# KiCad board Diom-35SP_PCB-rounded.kicad_pcb

Outline 139.93 x 113.12 mm; copper layers: Top, Bottom. Coordinates in mm from the lower left corner of the outline.
Outline path: 0,83.48 arc(0.56,85.11) 2.1,85.88 21.07,87.72 arc(22.62,88.55) 23.45,90.1 23.45,101.22 arc(24.15,102.9) 25.83,103.6 40.12,103.6 arc(41.8,104.3) 42.5,105.98 42.5,110.74 arc(43.2,112.43) 44.88,113.12 60.63,113.12 arc(62.31,112.43) 63.01,110.74 63.01,109.95 arc(63.72,108.26) 65.41,107.57 79.8,107.57 arc(81.37,106.99) 82.19,105.53 arc(83.03,104.14) 84.57,103.6 98.85,103.6 arc(100.42,103.02) 101.24,101.57 arc(102.08,100.17) 103.62,99.63 126.29,99.63 arc(127.97,98.93) 128.67,97.25 128.67,64.42 arc(127.97,62.73) 126.29,62.04 117.83,62.04 arc(116.13,61.33) 115.45,59.62 115.42,47.08 arc(115.89,45.6) 117.2,44.78 119.5,44.18 arc(120.63,43.3) 120.8,41.88 119.81,38.5 arc(119.87,36.86) 121,35.68 138.21,27.34 arc(139.72,25.8) 139.71,23.64 129.8,2.18 arc(128.14,0.27) 125.61,0.27 110.92,7.3 arc(110.36,8.31) 110.54,9.46 112.3,13.18 arc(112.4,14.71) 111.23,15.7 95,20.08 arc(94.11,20.57) 93.5,21.38 arc(92.74,22.29) 91.6,22.64 75.04,22.64 arc(73.48,23.21) 72.66,24.67 72.66,46.8 arc(71.84,48.25) 70.28,48.83 63.93,48.83 arc(62.25,49.53) 61.55,51.21 61.55,52 arc(60.85,53.69) 59.17,54.39 46.4,54.38 arc(44.72,53.68) 44.02,52 44,47.24 arc(43.31,45.56) 41.62,44.86 26.62,44.86 arc(24.94,44.16) 24.24,42.48 25.04,31.37 arc(24.34,29.68) 22.65,28.99 6.9,27.68 arc(5.22,28.38) 4.52,30.06 0,83.48
Stack: Top 0.035mm / dielectric 1.51mm FR4 er 4.5 / Bottom 0.035mm

## Placement (name value [footprint] x y rotation side)
H1  MountingHole  [MountingHole_2.2mm_M2_DIN965]  2.9 83.28 0 top
H2  MountingHole  [MountingHole_2.2mm_M2_DIN965]  7.3 30.68 0 top
H3  MountingHole  [MountingHole_2.2mm_M2_DIN965]  136.6 24.88 0 top
H4  MountingHole  [MountingHole_2.2mm_M2_DIN965]  126.5 3.18 0 top
H5  MountingHole  [MountingHole_2.2mm_M2_DIN965]  60 109.98 0 top
H6  MountingHole  [MountingHole_2.2mm_M2_DIN965]  41.1 47.88 0 top
H7  MountingHole  [MountingHole_2.2mm_M2_DIN965]  103.04 97.22 0 top
H8  MountingHole  [MountingHole_2.2mm_M2_DIN965]  103.04 64.45 0 top
H9  MountingHole  [MountingHole_2.2mm_M2_DIN965]  126.29 97.22 0 top
H10  MountingHole  [MountingHole_2.2mm_M2_DIN965]  126.29 64.45 0 top
H11  MountingHole  [MountingHole_2.2mm_M2_DIN965]  113.14 47.24 0 top
H12  MountingHole  [MountingHole_2.2mm_M2_DIN965]  104.31 20.76 0 top
H13  MountingHole  [MountingHole_2.2mm_M2_DIN965]  62.34 80.58 0 top
H14  MountingHole  [MountingHole_2.2mm_M2_DIN965]  75.99 25.84 0 top
H15  MountingHole  [MountingHole_2.2mm_M2_DIN965]  45.64 109.92 0 top
H17  MountingHole  [MountingHole_2.2mm_M2_DIN965]  26.46 100.52 0 top
H18  MountingHole  [MountingHole_2.2mm_M2_DIN965]  21.89 32.06 0 top
J1  Conn_01x02_Male  [JST_EH_S2B-EH_1x02_P2.50mm_Horizontal]  105.22 53.03 0 top
MX1  MX-NoLED  [Kailh-V1V2-1U-doubleSided-noSilk]  10.75 76.61 5 top
MX2  MX-NoLED  [Kailh-V1V2-1U-doubleSided-noSilk]  33.77 93.28 0 top
MX3  MX-NoLED  [Kailh-V1V2-1U-doubleSided-noSilk]  52.82 102.8 0 top
MX4  MX-NoLED  [Kailh-V1V2-1U-doubleSided-noSilk]  71.87 97.25 0 top
MX5  MX-NoLED  [Kailh-V1V2-1U-doubleSided-noSilk]  90.92 93.28 0 top
MX6  MX-NoLED  [Kailh-V1V2-1U-doubleSided-noSilk]  12.34 57.56 5 top
MX7  MX-NoLED  [Kailh-V1V2-1U-doubleSided-noSilk]  33.77 74.23 0 top
MX8  MX-NoLED  [Kailh-V1V2-1U-doubleSided-noSilk]  52.82 83.75 0 top
MX9  MX-NoLED  [Kailh-V1V2-1U-doubleSided-noSilk]  71.87 78.2 0 top
MX10  MX-NoLED  [Kailh-V1V2-1U-doubleSided-noSilk]  90.92 74.23 0 top
MX11  MX-NoLED  [Kailh-V1V2-1U-doubleSided-noSilk]  13.92 38.51 5 top
MX12  MX-NoLED  [Kailh-V1V2-1U-doubleSided-noSilk]  33.77 55.18 0 top
MX13  MX-NoLED  [Kailh-V1V2-1U-doubleSided-noSilk]  52.82 64.7 0 top
MX14  MX-NoLED  [Kailh-V1V2-1U-doubleSided-noSilk]  71.87 59.15 0 top
MX15  MX-NoLED  [Kailh-V1V2-1U-doubleSided-noSilk]  90.92 55.18 0 top
MX16  MX-NoLED  [Kailh-V1V2-1U-doubleSided-noSilk]  83.14 32.95 0 top
MX17  MX-NoLED  [Kailh-V1V2-1.5U-doubleSided-noSilk]  107.59 32.16 75 top
MX18  MX-NoLED  [Kailh-V1V2-1.5U-doubleSided-noSilk]  125.05 17.08 65 top
SW1  SHOU_HAN_MSK12C02-HB  [SHOU HAN MSK12C02-HB]  113.84 55.18 270 bottom
U1  -  [nice_nano]  114.65 80.97 270 top

## Footprints (pads in the part's own frame, mm; a bottom-side part is the same pattern mirrored in y, then rotated)
JST_EH_S2B-EH_1x02_P2.50mm_Horizontal
  rrect 1.7x2 hole 1: 1(0,0)
  oval 1.7x2 hole 1: 2(2.5,0)
Kailh-V1V2-1.5U-doubleSided-noSilk
  round 1.9 hole 1.9 unplated: (-5.5,0) (5.5,0)
  round 2.6 hole 1.6: (-5,-5.15) (5,-5.15)
  round 5.05 hole 5.05 unplated: (0,0)
  round 2.2 hole 1.2: 1(0,5.9) 1(0,5.9) 2(-5,3.8) 2(5,3.8)
Kailh-V1V2-1U-doubleSided-noSilk
  round 1.9 hole 1.9 unplated: (-5.5,0) (5.5,0)
  round 2.6 hole 1.6: (-5,-5.15) (5,-5.15)
  round 5.05 hole 5.05 unplated: (0,0)
  round 2.2 hole 1.2: 1(0,5.9) 1(0,5.9) 2(-5,3.8) 2(5,3.8)
MountingHole_2.2mm_M2_DIN965
  round 2.2 hole 2.2 unplated: (0,0)
nice_nano
  round 1.753 hole 1.092: 1(-13.97,-7.62) 2(-11.43,-7.62) 3(-8.89,-7.62) 4(-6.35,-7.62) 5(-3.81,-7.62) 6(-1.27,-7.62) 7(1.27,-7.62) 8(3.81,-7.62) 9(6.35,-7.62) 10(8.89,-7.62) 11(11.43,-7.62) 12(13.97,-7.62) 13(13.97,7.62) 14(11.43,7.62) 15(8.89,7.62) 16(6.35,7.62) 17(3.81,7.62) 18(1.27,7.62) 19(-1.27,7.62) 20(-3.81,7.62) 21(-6.35,7.62) 22(-8.89,7.62) 23(-11.43,7.62) 24(-13.97,7.62) 30(-16.51,-7.62) 31(8.89,-5.08) 32(8.89,-2.54) 33(8.89,0) 34(-16.51,7.62)
SHOU HAN MSK12C02-HB
  round 0.85 hole 0.85 unplated: (-1.5,0) (1.5,0)
  rrect 1x1.5 smd: 1(-2.3,2.1) 2(1,2.1) 3(2.45,2.1)
  rrect 1.7x1 smd: 4(-4,-1) 4(-4,1) 4(3.9,-1) 4(3.9,1)

## Nets
GND: MX1.2 MX2.2 MX3.2 MX4.2 MX5.2 MX6.2 MX7.2 MX8.2 MX9.2 MX10.2 MX11.2 MX12.2 MX13.2 MX14.2 MX15.2 MX16.2 MX17.2 MX18.2 SW1.4 U1.3 U1.4 U1.23
VCC: U1.21
B+: SW1.2 U1.34
B-: J1.1 U1.30
MX1: MX1.1 U1.18
MX2: MX2.1 U1.6
MX3: MX3.1 U1.1
MX4: MX4.1 U1.2
MX5: MX5.1 U1.5
MX6: MX6.1 U1.17
MX7: MX7.1 U1.10
MX8: MX8.1 U1.7
MX9: MX9.1 U1.8
MX10: MX10.1 U1.9
MX11: MX11.1 U1.15
MX12: MX12.1 U1.16
MX13: MX13.1 U1.11
MX14: MX14.1 U1.12
MX15: MX15.1 U1.19
MX16: MX16.1 U1.14
MX17: MX17.1 U1.13
MX18: MX18.1 U1.20
Net-(J1-Pad2): J1.2 SW1.3

Pads without a net: SW1 1; U1 22 24 31 32 33

## Via types
v1: diameter 0.8, hole 0.4, Top to Bottom, 2 vias

## Routing (per net, layer and track width the routed paths; a pad name or vN(x,y) marks a point on that pad's centre or on a via; arc(x,y) is an arc through that point)
B+: length 49.1
  Top w0.508: U1.34 119.43,94.64 v1(119.43,80.71)
  Bottom w0.508: v1(119.43,80.71) 119.41,80.69 119.41,70.42 109.97,60.97 109.97,55.95 SW1.2
B-: length 57.8
  Top w0.508: U1.30 114.21,97.48 117.14,94.55 v1(117.14,80.71)
  Bottom w0.508: v1(117.14,80.71) 117.13,80.69 117.13,70.67 105.22,58.77 J1.1
MX1: length 145.5
  Top w0.381: U1.18 120.51,77.95 arc(119.33,76.18) 118.92,74.1 118.92,74 arc(118.51,71.92) 117.33,70.15 102.3,55.13 arc(101.35,53.7) 101.01,52.01 101.01,51.87 arc(100.7,50.32) 99.82,49 arc(98.51,48.12) 96.95,47.81 78.38,47.81 arc(76.3,48.23) 74.54,49.41 73.91,50.03 arc(72.15,51.21) 70.07,51.62 68.61,51.62 arc(66.52,52.04) 64.76,53.22 62.1,55.87 arc(60.34,57.05) 58.26,57.46 46.84,57.46 arc(44.76,57.88) 43,59.06 38.15,63.9 arc(36.38,65.08) 34.3,65.5 29.67,65.5 arc(27.59,65.91) 25.82,67.09 21.07,71.84 arc(19.89,73.61) 19.48,75.69 19.48,79.23 arc(19.23,80.48) 18.52,81.53 arc(17.47,82.24) 16.22,82.49 MX1.1
MX2: length 78.9
  Top w0.381: MX2.1 38.31,99.18 arc(40.39,98.76) 42.16,97.59 44.87,94.87 arc(46.64,93.69) 48.72,93.28 50,93.28 arc(51.87,92.91) 53.45,91.85 arc(55.04,90.79) 56.91,90.42 67.53,90.42 arc(67.56,90.42) 67.58,90.44 arc(67.6,90.44) 67.62,90.44 70.02,88.04 arc(71.78,86.86) 73.86,86.45 100.57,86.45 arc(102.66,86.03) 104.42,84.85 U1.6
MX3: length 60
  Top w0.381: U1.1 106.39,94.3 arc(105.68,93.83) 104.84,93.66 104.27,93.66 arc(102.9,93.93) 101.75,94.71 95.62,100.83 arc(93.86,102.01) 91.77,102.42 85.27,102.42 arc(83.51,102.77) 82.01,103.77 arc(80.51,104.77) 78.75,105.12 57.54,105.12 arc(56.48,105.33) 55.59,105.93 MX3.1
MX4: length 39
  Top w0.381: U1.2 104.84,92.4 arc(102.82,92.81) 101.1,93.95 97.41,97.64 arc(97.4,97.66) 97.4,97.67 arc(97.39,97.69) 97.38,97.7 95.02,100.07 arc(93.26,101.25) 91.17,101.66 84.37,101.66 arc(83.39,101.85) 82.57,102.4 arc(81.75,102.95) 80.78,103.15 MX4.1
MX5: length 21.9
  Top w0.381: MX5.1 94.62,95.47 arc(95.29,95.02) 96.09,94.87 arc(96.88,94.71) 97.56,94.26 U1.5
MX6: length 131.2
  Top w0.381: MX6.1 35.55,63.44 arc(37.64,63.02) 39.4,61.84 42.82,58.42 arc(44.59,57.24) 46.67,56.83 58.08,56.83 arc(60.17,56.42) 61.93,55.24 64.52,52.65 arc(66.29,51.47) 68.37,51.05 69.83,51.05 arc(71.91,50.64) 73.68,49.46 74.43,48.71 arc(76.19,47.53) 78.28,47.11 96.74,47.11 arc(98.59,47.48) 100.16,48.53 100.3,48.66 arc(101.25,50.09) 101.58,51.78 arc(101.92,53.46) 102.87,54.89 118.49,70.51 arc(119.25,71.64) 119.51,72.96 arc(119.77,74.29) 120.53,75.42 U1.17
MX7: length 76.3
  Top w0.381: U1.10 106.62,71.67 arc(106.17,71.37) 105.63,71.26 58.04,71.26 arc(55.95,71.68) 54.19,72.86 53.62,73.43 arc(51.85,74.61) 49.77,75.02 48.72,75.02 arc(46.64,75.44) 44.87,76.62 42.95,78.54 arc(41.19,79.71) 39.11,80.13 MX7.1
MX8: length 57.6
  Top w0.381: 52.82,89.65 65.11,89.65 arc(67.19,89.24) 68.96,88.06 69.85,87.17 arc(71.61,85.99) 73.7,85.58 98.9,85.58 arc(100.99,85.16) 102.75,83.98 U1.7
MX9: length 37.6
  Top w0.381: MX9.1 93.08,84.1 arc(95.16,83.68) 96.93,82.5 100.68,78.76 arc(102.44,77.58) 104.52,77.16 U1.8
MX10: length 17.9
  Top w0.381: U1.9 104.48,74.62 arc(102.4,75.04) 100.63,76.22 98.31,78.54 arc(96.55,79.71) 94.46,80.13 MX10.1
MX11: length 128.5
  Top w0.381: MX11.1 14.49,45.47 arc(15.68,46.26) 17.09,46.54 30.34,46.54 arc(32.42,46.96) 34.19,48.14 40.02,53.97 arc(41.78,55.15) 43.87,55.56 57.74,55.56 arc(59.82,55.15) 61.59,53.97 64.05,51.5 arc(65.81,50.32) 67.9,49.91 69.36,49.91 arc(71.44,49.5) 73.2,48.32 74.15,47.37 arc(75.91,46.2) 77.99,45.78 96.77,45.78 arc(98.85,46.2) 100.62,47.37 101.44,48.19 arc(102.39,49.62) 102.73,51.3 arc(103.06,52.99) 104.02,54.42 120.53,70.93 arc(120.62,71.07) 120.65,71.23 arc(120.68,71.4) 120.78,71.54 120.99,71.75 arc(121.36,72) 121.8,72.08 U1.15
MX12: length 106.9
  Top w0.381: MX12.1 37.11,61.08 arc(39.19,60.66) 40.95,59.49 42.65,57.79 arc(44.42,56.61) 46.5,56.19 57.91,56.19 arc(59.99,55.78) 61.76,54.6 64.28,52.07 arc(66.05,50.9) 68.13,50.48 69.59,50.48 arc(71.68,50.07) 73.44,48.89 74.32,48.01 arc(76.08,46.83) 78.17,46.42 96.6,46.42 arc(98.68,46.83) 100.45,48.01 100.87,48.43 arc(101.82,49.86) 102.16,51.54 arc(102.49,53.23) 103.45,54.65 119.68,70.89 arc(119.98,71.33) 120.08,71.86 arc(120.19,72.39) 120.48,72.84 122.27,74.62 arc(122.27,74.62) 122.26,74.62 122.26,74.62
MX13: length 55.9
  Top w0.381: MX13.1 56.57,70.6 arc(58.65,70.19) 60.42,69.01 60.75,68.68 arc(62.51,67.5) 64.6,67.09 96.32,67.09 arc(97.93,67.4) 99.29,68.31 arc(100.65,69.22) 102.26,69.54 U1.11
MX14: length 35.7
  Top w0.381: U1.12 101.91,67 arc(100.63,66.75) 99.55,66.03 arc(98.46,65.3) 97.18,65.05 MX14.1
MX15: length 43.1
  Top w0.381: MX15.1 105.17,61.08 arc(107.25,61.49) 109.01,62.67 116.76,70.41 arc(117.93,72.18) 118.35,74.26 118.35,76.07 arc(118.76,78.15) 119.94,79.91 U1.19
MX16: length 55.3
  Top w0.381: MX16.1 94.24,38.85 arc(96.33,39.27) 98.09,40.45 107.6,49.96 arc(108.78,51.72) 109.19,53.8 109.19,56.53 arc(109.61,58.62) 110.79,60.38 119.13,68.72 arc(120.04,69.33) 121.11,69.54 U1.14
MX17: length 43.2
  Top w0.381: U1.13 120.24,67 arc(118.37,66.63) 116.78,65.57 111.36,60.15 arc(110.18,58.38) 109.77,56.3 109.77,53.57 arc(109.35,51.48) 108.17,49.72 103.48,45.03 arc(102.3,43.26) 101.89,41.18 MX17.1
MX18: length 77.6
  Top w0.381: U1.20 123.14,83.92 arc(123.78,82.96) 124,81.83 124,67.2 arc(123.83,66.35) 123.35,65.63 arc(122.63,65.15) 121.78,64.98 119.25,64.98 arc(117.17,64.56) 115.41,63.39 111.93,59.91 arc(110.75,58.14) 110.34,56.06 110.34,43.9 arc(110.75,41.82) 111.93,40.05 118.11,33.88 arc(119.29,32.11) 119.7,30.03 MX18.1
Net-(J1-Pad2): length 4.1
  Bottom w0.508: J1.2 107.87,52.88 arc(108.04,52.77) 108.23,52.73 SW1.3

## Copper pours and planes (outline as drawn; the poured copper is in the pictures)
GND on Top, Bottom: 149.65,-6.73 -9.1,-6.73 -9.1,120.27 149.65,120.27
B+ on Top: 121.22,96.07 121.36,96.21 121.5,96.31 121.62,96.39 121.74,96.44 121.86,96.48 121.98,96.51 122.24,96.56 122.39,96.6 122.56,96.66 122.58,97.79 121.44,97.77 121.39,97.6 121.35,97.45 121.3,97.19 121.27,97.07 121.23,96.95 121.17,96.83 121.1,96.71 120.99,96.58 120.86,96.43
B+ on Bottom: 110.86,54.7 110.94,54.62 111,54.55 111.05,54.48 111.1,54.42 111.13,54.36 111.16,54.3 111.19,54.24 111.21,54.17 111.27,54.01 111.92,54 111.9,54.65 111.74,54.71 111.68,54.73 111.61,54.76 111.55,54.79 111.5,54.82 111.43,54.87 111.37,54.92 111.3,54.98 111.22,55.06
B- on Top: 108.78,97.74 108.58,97.74 108.41,97.77 108.27,97.8 108.14,97.85 108.03,97.9 107.93,97.97 107.7,98.11 107.57,98.19 107.41,98.27 106.59,97.48 107.41,96.69 107.57,96.78 107.7,96.86 107.93,97 108.03,97.06 108.14,97.12 108.27,97.17 108.41,97.2 108.58,97.22 108.78,97.23
B- on Bottom: 104.97,54.72 104.96,54.52 104.94,54.36 104.91,54.22 104.87,54.1 104.81,54 104.75,53.89 104.61,53.68 104.54,53.55 104.46,53.4 105.22,52.6 105.99,53.4 105.91,53.55 105.83,53.68 105.69,53.89 105.63,54 105.58,54.1 105.54,54.22 105.51,54.36 105.49,54.52 105.48,54.72
MX1 on Top: 12.42,82.68 12.17,82.69 11.95,82.73 11.78,82.78 11.63,82.86 11.49,82.94 11.37,83.04 11.23,83.15 11.09,83.26 10.92,83.37 10.71,83.48 9.68,82.49 10.71,81.5 10.92,81.61 11.09,81.72 11.23,81.83 11.37,81.94 11.49,82.03 11.63,82.12 11.78,82.19 11.95,82.25 12.17,82.28 12.42,82.3
MX1 on Top: 121.17,78.33 121.32,78.47 121.46,78.57 121.59,78.64 121.71,78.69 121.83,78.72 121.96,78.74 122.09,78.76 122.23,78.79 122.39,78.82 122.56,78.88 122.58,80.01 121.44,79.99 121.39,79.82 121.36,79.66 121.33,79.52 121.31,79.39 121.29,79.26 121.26,79.14 121.21,79.02 121.14,78.89 121.04,78.75 120.9,78.6
MX1 on Top: 12.42,82.68 12.17,82.69 11.95,82.73 11.78,82.78 11.63,82.86 11.49,82.94 11.37,83.04 11.23,83.15 11.09,83.26 10.92,83.37 10.71,83.48 9.68,82.49 10.71,81.5 10.92,81.61 11.09,81.72 11.23,81.83 11.37,81.94 11.49,82.03 11.63,82.12 11.78,82.19 11.95,82.25 12.17,82.28 12.42,82.3
MX2 on Top: 35.96,99.37 35.7,99.38 35.49,99.42 35.31,99.47 35.16,99.55 35.03,99.63 34.9,99.73 34.77,99.84 34.62,99.95 34.45,100.06 34.25,100.17 33.22,99.18 34.25,98.19 34.45,98.3 34.62,98.41 34.77,98.52 34.9,98.63 35.03,98.72 35.16,98.81 35.31,98.88 35.49,98.94 35.7,98.98 35.96,98.99
MX2 on Top: 35.96,99.37 35.7,99.38 35.49,99.42 35.31,99.47 35.16,99.55 35.03,99.63 34.9,99.73 34.77,99.84 34.62,99.95 34.45,100.06 34.25,100.17 33.22,99.18 34.25,98.19 34.45,98.3 34.62,98.41 34.77,98.52 34.9,98.63 35.03,98.72 35.16,98.81 35.31,98.88 35.49,98.94 35.7,98.98 35.96,98.99
MX2 on Top: 105.66,83.34 105.8,83.19 105.9,83.06 105.97,82.93 106.02,82.8 106.05,82.68 106.07,82.56 106.09,82.43 106.12,82.29 106.15,82.13 106.2,81.96 107.34,81.93 107.32,83.07 107.15,83.12 106.99,83.16 106.85,83.18 106.72,83.2 106.59,83.22 106.47,83.26 106.35,83.3 106.22,83.37 106.08,83.48 105.93,83.61
MX3 on Top: 54.5,107.29 54.33,107.48 54.2,107.66 54.12,107.82 54.06,107.98 54.03,108.13 54.01,108.29 53.99,108.46 53.96,108.64 53.92,108.84 53.86,109.06 52.43,109.09 52.46,107.66 52.68,107.6 52.88,107.56 53.06,107.53 53.23,107.51 53.39,107.49 53.54,107.46 53.7,107.4 53.86,107.32 54.04,107.19 54.23,107.02
MX3 on Top: 54.5,107.29 54.33,107.48 54.2,107.66 54.12,107.82 54.06,107.98 54.03,108.13 54.01,108.29 53.99,108.46 53.96,108.64 53.92,108.84 53.86,109.06 52.43,109.09 52.46,107.66 52.68,107.6 52.88,107.56 53.06,107.53 53.23,107.51 53.39,107.49 53.54,107.46 53.7,107.4 53.86,107.32 54.04,107.19 54.23,107.02
MX3 on Top: 105.74,93.64 105.95,93.73 106.13,93.79 106.29,93.84 106.43,93.88 106.56,93.91 106.69,93.94 106.82,93.97 106.97,94.01 107.13,94.05 107.32,94.12 107.34,95.25 106.2,95.23 106.16,95.07 106.13,94.91 106.11,94.76 106.09,94.63 106.06,94.5 106.03,94.38 105.97,94.27 105.88,94.17 105.76,94.08 105.59,94
MX4 on Top: 105.29,92.21 105.49,92.2 105.66,92.18 105.8,92.14 105.92,92.08 106.03,92.02 106.13,91.95 106.24,91.87 106.35,91.79 106.49,91.7 106.65,91.61 107.47,92.4 106.65,93.19 106.49,93.11 106.35,93.02 106.24,92.94 106.13,92.86 106.03,92.79 105.92,92.72 105.8,92.67 105.66,92.63 105.49,92.6 105.29,92.59
MX4 on Top: 74.06,103.34 73.8,103.35 73.59,103.39 73.41,103.44 73.26,103.52 73.13,103.6 73,103.7 72.87,103.81 72.72,103.92 72.55,104.03 72.35,104.14 71.32,103.15 72.35,102.16 72.55,102.27 72.72,102.38 72.87,102.49 73,102.6 73.13,102.69 73.26,102.78 73.41,102.85 73.59,102.91 73.8,102.94 74.06,102.96
MX4 on Top: 74.06,103.34 73.8,103.35 73.59,103.39 73.41,103.44 73.26,103.52 73.13,103.6 73,103.7 72.87,103.81 72.72,103.92 72.55,104.03 72.35,104.14 71.32,103.15 72.35,102.16 72.55,102.27 72.72,102.38 72.87,102.49 73,102.6 73.13,102.69 73.26,102.78 73.41,102.85 73.59,102.91 73.8,102.94 74.06,102.96
MX5 on Top: 92.6,97.76 92.43,97.96 92.3,98.13 92.22,98.29 92.16,98.45 92.13,98.61 92.11,98.77 92.09,98.94 92.06,99.12 92.02,99.32 91.96,99.54 90.53,99.57 90.56,98.14 90.78,98.07 90.98,98.03 91.16,98.01 91.33,97.99 91.49,97.97 91.64,97.93 91.8,97.88 91.96,97.79 92.14,97.67 92.33,97.5
MX5 on Top: 92.6,97.76 92.43,97.96 92.3,98.13 92.22,98.29 92.16,98.45 92.13,98.61 92.11,98.77 92.09,98.94 92.06,99.12 92.02,99.32 91.96,99.54 90.53,99.57 90.56,98.14 90.78,98.07 90.98,98.03 91.16,98.01 91.33,97.99 91.49,97.97 91.64,97.93 91.8,97.88 91.96,97.79 92.14,97.67 92.33,97.5
MX5 on Top: 105.66,85.88 105.8,85.73 105.9,85.6 105.97,85.47 106.02,85.34 106.05,85.22 106.07,85.1 106.09,84.97 106.12,84.83 106.15,84.67 106.2,84.5 107.34,84.47 107.32,85.61 107.15,85.66 106.99,85.7 106.85,85.72 106.72,85.74 106.59,85.76 106.47,85.8 106.35,85.84 106.22,85.91 106.08,86.02 105.93,86.15
MX6 on Top: 121.17,75.79 121.32,75.93 121.46,76.03 121.59,76.1 121.71,76.15 121.83,76.18 121.96,76.2 122.09,76.22 122.23,76.25 122.39,76.28 122.56,76.34 122.58,77.47 121.44,77.45 121.39,77.28 121.36,77.12 121.33,76.98 121.31,76.85 121.29,76.72 121.26,76.6 121.21,76.48 121.14,76.35 121.04,76.21 120.9,76.06
MX6 on Top: 14.01,63.63 13.75,63.64 13.54,63.68 13.37,63.73 13.22,63.81 13.08,63.89 12.95,63.99 12.82,64.1 12.67,64.21 12.5,64.32 12.3,64.43 11.27,63.44 12.3,62.45 12.5,62.56 12.67,62.67 12.82,62.78 12.95,62.89 13.08,62.98 13.22,63.07 13.37,63.14 13.54,63.2 13.75,63.23 14.01,63.25
MX6 on Top: 14.01,63.63 13.75,63.64 13.54,63.68 13.37,63.73 13.22,63.81 13.08,63.89 12.95,63.99 12.82,64.1 12.67,64.21 12.5,64.32 12.3,64.43 11.27,63.44 12.3,62.45 12.5,62.56 12.67,62.67 12.82,62.78 12.95,62.89 13.08,62.98 13.22,63.07 13.37,63.14 13.54,63.2 13.75,63.23 14.01,63.25
MX7 on Top: 105.55,71.07 105.75,71.08 105.92,71.09 106.07,71.1 106.2,71.12 106.44,71.16 106.56,71.18 106.7,71.19 106.85,71.2 107.03,71.21 107.37,72.36 106.24,72.46 106.18,72.31 106.14,72.17 106.07,71.9 106.04,71.78 105.99,71.67 105.92,71.58 105.83,71.51 105.71,71.47 105.55,71.45
MX7 on Top: 35.96,80.32 35.7,80.33 35.49,80.37 35.31,80.42 35.16,80.5 35.03,80.58 34.9,80.68 34.77,80.79 34.62,80.9 34.45,81.01 34.25,81.12 33.22,80.13 34.25,79.14 34.45,79.25 34.62,79.36 34.77,79.47 34.9,79.58 35.03,79.67 35.16,79.76 35.31,79.83 35.49,79.89 35.7,79.93 35.96,79.94
MX7 on Top: 35.96,80.32 35.7,80.33 35.49,80.37 35.31,80.42 35.16,80.5 35.03,80.58 34.9,80.68 34.77,80.79 34.62,80.9 34.45,81.01 34.25,81.12 33.22,80.13 34.25,79.14 34.45,79.25 34.62,79.36 34.77,79.47 34.9,79.58 35.03,79.67 35.16,79.76 35.31,79.83 35.49,79.89 35.7,79.93 35.96,79.94
MX8 on Top: 105.66,80.8 105.8,80.65 105.9,80.52 105.97,80.39 106.02,80.26 106.05,80.14 106.07,80.02 106.09,79.89 106.12,79.75 106.15,79.59 106.2,79.42 107.34,79.39 107.32,80.53 107.15,80.58 106.99,80.62 106.85,80.64 106.72,80.66 106.59,80.68 106.47,80.72 106.35,80.76 106.22,80.83 106.08,80.94 105.93,81.07
MX8 on Top: 55.01,89.84 54.75,89.86 54.54,89.89 54.36,89.95 54.21,90.02 54.08,90.11 53.95,90.21 53.82,90.31 53.67,90.42 53.5,90.53 53.3,90.64 52.27,89.65 53.3,88.66 53.5,88.77 53.67,88.89 53.82,89 53.95,89.1 54.08,89.2 54.21,89.29 54.36,89.36 54.54,89.41 54.75,89.45 55.01,89.46
MX8 on Top: 55.01,89.84 54.75,89.86 54.54,89.89 54.36,89.95 54.21,90.02 54.08,90.11 53.95,90.21 53.82,90.31 53.67,90.42 53.5,90.53 53.3,90.64 52.27,89.65 53.3,88.66 53.5,88.77 53.67,88.89 53.82,89 53.95,89.1 54.08,89.2 54.21,89.29 54.36,89.36 54.54,89.41 54.75,89.45 55.01,89.46
MX9 on Top: 105.29,76.97 105.49,76.96 105.66,76.94 105.8,76.9 105.92,76.84 106.03,76.78 106.13,76.71 106.24,76.63 106.35,76.55 106.49,76.46 106.65,76.37 107.47,77.16 106.65,77.95 106.49,77.87 106.35,77.78 106.24,77.7 106.13,77.62 106.03,77.55 105.92,77.48 105.8,77.43 105.66,77.39 105.49,77.36 105.29,77.35
MX9 on Top: 74.06,84.29 73.8,84.3 73.59,84.34 73.41,84.39 73.26,84.47 73.13,84.55 73,84.65 72.87,84.76 72.72,84.87 72.55,84.98 72.35,85.09 71.32,84.1 72.35,83.11 72.55,83.22 72.72,83.33 72.87,83.44 73,83.55 73.13,83.64 73.26,83.73 73.41,83.8 73.59,83.86 73.8,83.89 74.06,83.91
MX9 on Top: 74.06,84.29 73.8,84.3 73.59,84.34 73.41,84.39 73.26,84.47 73.13,84.55 73,84.65 72.87,84.76 72.72,84.87 72.55,84.98 72.35,85.09 71.32,84.1 72.35,83.11 72.55,83.22 72.72,83.33 72.87,83.44 73,83.55 73.13,83.64 73.26,83.73 73.41,83.8 73.59,83.86 73.8,83.89 74.06,83.91
MX10 on Top: 93.11,80.32 92.85,80.33 92.64,80.37 92.46,80.42 92.31,80.5 92.18,80.58 92.05,80.68 91.92,80.79 91.77,80.9 91.6,81.01 91.4,81.12 90.37,80.13 91.4,79.14 91.6,79.25 91.77,79.36 91.92,79.47 92.05,79.58 92.18,79.67 92.31,79.76 92.46,79.83 92.64,79.89 92.85,79.93 93.11,79.94
MX10 on Top: 105.29,74.43 105.49,74.42 105.66,74.4 105.8,74.36 105.92,74.3 106.03,74.24 106.13,74.17 106.24,74.09 106.35,74.01 106.49,73.92 106.65,73.83 107.47,74.62 106.65,75.41 106.49,75.33 106.35,75.24 106.24,75.16 106.13,75.08 106.03,75.01 105.92,74.94 105.8,74.89 105.66,74.85 105.49,74.82 105.29,74.81
MX10 on Top: 93.11,80.32 92.85,80.33 92.64,80.37 92.46,80.42 92.31,80.5 92.18,80.58 92.05,80.68 91.92,80.79 91.77,80.9 91.6,81.01 91.4,81.12 90.37,80.13 91.4,79.14 91.6,79.25 91.77,79.36 91.92,79.47 92.05,79.58 92.18,79.67 92.31,79.76 92.46,79.83 92.64,79.89 92.85,79.93 93.11,79.94
MX11 on Top: 15.28,46.28 14.99,46.13 14.74,46.01 14.52,45.92 14.32,45.84 14.14,45.78 13.96,45.72 13.56,45.59 13.32,45.52 13.05,45.43 13.02,44 14.45,44.03 14.53,44.29 14.58,44.52 14.62,44.74 14.66,44.95 14.71,45.13 14.78,45.31 14.87,45.48 15.01,45.64 15.2,45.79 15.46,45.95
MX11 on Top: 121.01,71 120.9,71.06 120.88,71.11 120.92,71.15 121.02,71.2 121.17,71.23 121.34,71.26 121.52,71.28 121.71,71.28 121.89,71.27 122.04,71.24 122.7,72.16 121.99,71.25 122.07,71.2 122.02,71.14 121.87,71.08 121.65,71.02 121.41,70.96 121.16,70.9 120.96,70.83 120.82,70.77 120.78,70.71 120.88,70.64
MX11 on Top: 15.28,46.28 14.99,46.13 14.74,46.01 14.52,45.92 14.32,45.84 14.14,45.78 13.96,45.72 13.56,45.59 13.32,45.52 13.05,45.43 13.02,44 14.45,44.03 14.53,44.29 14.58,44.52 14.62,44.74 14.66,44.95 14.71,45.13 14.78,45.31 14.87,45.48 15.01,45.64 15.2,45.79 15.46,45.95
MX12 on Top: 35.96,61.27 35.7,61.28 35.49,61.32 35.31,61.37 35.16,61.45 35.03,61.53 34.9,61.63 34.77,61.74 34.62,61.85 34.45,61.96 34.25,62.07 33.22,61.08 34.25,60.09 34.45,60.2 34.62,60.31 34.77,60.42 34.9,60.53 35.03,60.62 35.16,60.71 35.31,60.78 35.49,60.84 35.7,60.88 35.96,60.89
MX12 on Top: 35.96,61.27 35.7,61.28 35.49,61.32 35.31,61.37 35.16,61.45 35.03,61.53 34.9,61.63 34.77,61.74 34.62,61.85 34.45,61.96 34.25,62.07 33.22,61.08 34.25,60.09 34.45,60.2 34.62,60.31 34.77,60.42 34.9,60.53 35.03,60.62 35.16,60.71 35.31,60.78 35.49,60.84 35.7,60.88 35.96,60.89
MX12 on Top: 121.17,73.25 121.32,73.39 121.46,73.49 121.58,73.56 121.71,73.61 121.83,73.64 121.96,73.66 122.09,73.68 122.23,73.71 122.38,73.74 122.56,73.8 122.58,74.93 121.44,74.91 121.39,74.74 121.36,74.58 121.33,74.44 121.31,74.31 121.29,74.18 121.26,74.06 121.21,73.94 121.14,73.81 121.04,73.67 120.9,73.52
MX13 on Top: 105.29,69.35 105.49,69.34 105.66,69.32 105.8,69.28 105.92,69.22 106.03,69.16 106.13,69.09 106.24,69.01 106.35,68.93 106.49,68.84 106.65,68.75 107.47,69.54 106.65,70.33 106.49,70.25 106.35,70.16 106.24,70.08 106.13,70 106.03,69.93 105.92,69.86 105.8,69.81 105.66,69.77 105.49,69.74 105.29,69.73
MX13 on Top: 55.01,70.79 54.75,70.81 54.54,70.84 54.36,70.9 54.21,70.97 54.08,71.06 53.95,71.16 53.82,71.26 53.67,71.37 53.5,71.48 53.3,71.59 52.27,70.6 53.3,69.61 53.5,69.72 53.67,69.84 53.82,69.95 53.95,70.05 54.08,70.15 54.21,70.24 54.36,70.31 54.54,70.36 54.75,70.4 55.01,70.41
MX13 on Top: 55.01,70.79 54.75,70.81 54.54,70.84 54.36,70.9 54.21,70.97 54.08,71.06 53.95,71.16 53.82,71.26 53.67,71.37 53.5,71.48 53.3,71.59 52.27,70.6 53.3,69.61 53.5,69.72 53.67,69.84 53.82,69.95 53.95,70.05 54.08,70.15 54.21,70.24 54.36,70.31 54.54,70.36 54.75,70.4 55.01,70.41
MX14 on Top: 74.06,65.24 73.8,65.25 73.59,65.29 73.41,65.34 73.26,65.42 73.13,65.5 73,65.6 72.87,65.71 72.72,65.82 72.55,65.93 72.35,66.04 71.32,65.05 72.35,64.06 72.55,64.17 72.72,64.28 72.87,64.39 73,64.5 73.13,64.59 73.26,64.68 73.41,64.75 73.59,64.81 73.8,64.84 74.06,64.86
MX14 on Top: 105.29,66.81 105.49,66.8 105.66,66.78 105.8,66.74 105.92,66.68 106.03,66.62 106.13,66.55 106.24,66.47 106.35,66.39 106.49,66.3 106.65,66.21 107.47,67 106.65,67.79 106.49,67.71 106.35,67.62 106.24,67.54 106.13,67.46 106.03,67.39 105.92,67.32 105.8,67.27 105.66,67.23 105.49,67.2 105.29,67.19
MX14 on Top: 74.06,65.24 73.8,65.25 73.59,65.29 73.41,65.34 73.26,65.42 73.13,65.5 73,65.6 72.87,65.71 72.72,65.82 72.55,65.93 72.35,66.04 71.32,65.05 72.35,64.06 72.55,64.17 72.72,64.28 72.87,64.39 73,64.5 73.13,64.59 73.26,64.68 73.41,64.75 73.59,64.81 73.8,64.84 74.06,64.86
MX15 on Top: 121.17,80.87 121.32,81.01 121.46,81.11 121.59,81.18 121.71,81.23 121.83,81.26 121.96,81.28 122.09,81.3 122.23,81.33 122.39,81.36 122.56,81.42 122.58,82.55 121.44,82.53 121.39,82.36 121.36,82.2 121.33,82.06 121.31,81.93 121.29,81.8 121.26,81.68 121.21,81.56 121.14,81.43 121.04,81.29 120.9,81.14
MX15 on Top: 93.11,61.27 92.85,61.28 92.64,61.32 92.46,61.37 92.31,61.45 92.18,61.53 92.05,61.63 91.92,61.74 91.77,61.85 91.6,61.96 91.4,62.07 90.37,61.08 91.4,60.09 91.6,60.2 91.77,60.31 91.92,60.42 92.05,60.53 92.18,60.62 92.31,60.71 92.46,60.78 92.64,60.84 92.85,60.88 93.11,60.89
MX15 on Top: 93.11,61.27 92.85,61.28 92.64,61.32 92.46,61.37 92.31,61.45 92.18,61.53 92.05,61.63 91.92,61.74 91.77,61.85 91.6,61.96 91.4,62.07 90.37,61.08 91.4,60.09 91.6,60.2 91.77,60.31 91.92,60.42 92.05,60.53 92.18,60.62 92.31,60.71 92.46,60.78 92.64,60.84 92.85,60.88 93.11,60.89
MX16 on Top: 85.33,39.04 85.07,39.06 84.86,39.09 84.68,39.15 84.53,39.22 84.4,39.31 84.27,39.41 84.14,39.51 83.99,39.62 83.82,39.73 83.62,39.84 82.59,38.85 83.62,37.86 83.82,37.97 83.99,38.09 84.14,38.2 84.27,38.3 84.4,38.4 84.53,38.49 84.68,38.56 84.86,38.61 85.07,38.65 85.33,38.66
MX16 on Top: 85.33,39.04 85.07,39.06 84.86,39.09 84.68,39.15 84.53,39.22 84.4,39.31 84.27,39.41 84.14,39.51 83.99,39.62 83.82,39.73 83.62,39.84 82.59,38.85 83.62,37.86 83.82,37.97 83.99,38.09 84.14,38.2 84.27,38.3 84.4,38.4 84.53,38.49 84.68,38.56 84.86,38.61 85.07,38.65 85.33,38.66
MX16 on Top: 120.31,69.23 120.52,69.28 120.71,69.3 120.87,69.3 121.02,69.26 121.15,69.2 121.28,69.13 121.41,69.04 121.55,68.95 121.71,68.85 121.89,68.75 122.71,69.54 121.89,70.33 121.69,70.23 121.52,70.15 121.37,70.07 121.23,70 121.1,69.94 120.96,69.87 120.81,69.81 120.64,69.74 120.43,69.67 120.19,69.59
MX17 on Top: 101.7,35.88 101.68,35.62 101.65,35.41 101.59,35.23 101.52,35.08 101.43,34.95 101.33,34.82 101.23,34.69 101.12,34.54 101.01,34.37 100.9,34.17 101.89,33.14 102.88,34.17 102.77,34.37 102.65,34.54 102.54,34.69 102.44,34.82 102.34,34.95 102.25,35.08 102.18,35.23 102.13,35.41 102.09,35.62 102.08,35.88
MX17 on Top: 120.53,66.81 120.73,66.8 120.9,66.78 121.04,66.74 121.16,66.68 121.27,66.62 121.37,66.55 121.48,66.47 121.59,66.39 121.73,66.3 121.89,66.21 122.71,67 121.89,67.79 121.73,67.71 121.59,67.62 121.48,67.54 121.37,67.46 121.27,67.39 121.16,67.32 121.04,67.27 120.9,67.23 120.73,67.2 120.53,67.19
MX17 on Top: 101.7,35.88 101.68,35.62 101.65,35.41 101.59,35.23 101.52,35.08 101.43,34.95 101.33,34.82 101.23,34.69 101.12,34.54 101.01,34.37 100.9,34.17 101.89,33.14 102.88,34.17 102.77,34.37 102.65,34.54 102.54,34.69 102.44,34.82 102.34,34.95 102.25,35.08 102.18,35.23 102.13,35.41 102.09,35.62 102.08,35.88
MX18 on Top: 119.51,21.76 119.5,21.51 119.46,21.29 119.41,21.12 119.33,20.97 119.25,20.83 119.15,20.7 119.04,20.57 118.93,20.43 118.82,20.26 118.71,20.05 119.7,19.02 120.69,20.05 120.58,20.26 120.47,20.43 120.36,20.57 120.25,20.7 120.16,20.83 120.07,20.97 120,21.12 119.94,21.29 119.9,21.51 119.89,21.76
MX18 on Top: 119.51,21.76 119.5,21.51 119.46,21.29 119.41,21.12 119.33,20.97 119.25,20.83 119.15,20.7 119.04,20.57 118.93,20.43 118.82,20.26 118.71,20.05 119.7,19.02 120.69,20.05 120.58,20.26 120.47,20.43 120.36,20.57 120.25,20.7 120.16,20.83 120.07,20.97 120,21.12 119.94,21.29 119.9,21.51 119.89,21.76
MX18 on Top: 123.83,83.31 123.7,83.54 123.6,83.74 123.52,83.91 123.45,84.06 123.4,84.21 123.34,84.35 123.29,84.5 123.17,84.85 123.1,85.07 121.96,85.09 121.98,83.96 122.19,83.89 122.37,83.85 122.55,83.81 122.7,83.78 122.85,83.73 122.99,83.67 123.12,83.59 123.25,83.48 123.37,83.33 123.49,83.13
Net-(J1-Pad2) on Bottom: 109.37,52.98 109.21,52.99 109.07,53.01 108.95,53.05 108.85,53.1 108.76,53.16 108.68,53.23 108.61,53.31 108.44,53.51 108.34,53.61 107.33,53.18 107.8,52.18 107.99,52.2 108.15,52.24 108.29,52.27 108.42,52.31 108.54,52.35 108.67,52.39 108.81,52.42 108.97,52.45 109.15,52.47 109.37,52.47
Net-(J1-Pad2) on Bottom: 110.75,52.47 110.86,52.47 110.96,52.47 111.04,52.46 111.11,52.45 111.18,52.43 111.24,52.41 111.3,52.38 111.37,52.35 111.52,52.28 111.99,52.73 111.52,53.18 111.37,53.11 111.3,53.08 111.24,53.05 111.18,53.03 111.11,53.01 111.04,53 110.96,52.99 110.86,52.98 110.75,52.98

Small or netless copper shapes (teardrops, artwork), in the pictures only: 2 on Top, 2 on Bottom
